# Altium PCB clock.PcbDoc (part 2 of 3)
Units mil, origin at the board's own origin, x right, y up, seen from the top; angles counter-clockwise.
Board outline 2362.2 x 2952.76 mil, 4 copper layers (Top Copper, Signal Layer 1, Signal Layer 2, Bottom Copper), stack 61.811 mil thick; 158 components, 86 nets, 506 pads, 629 vias.
Unrouted connection lines stored in the file: 8.
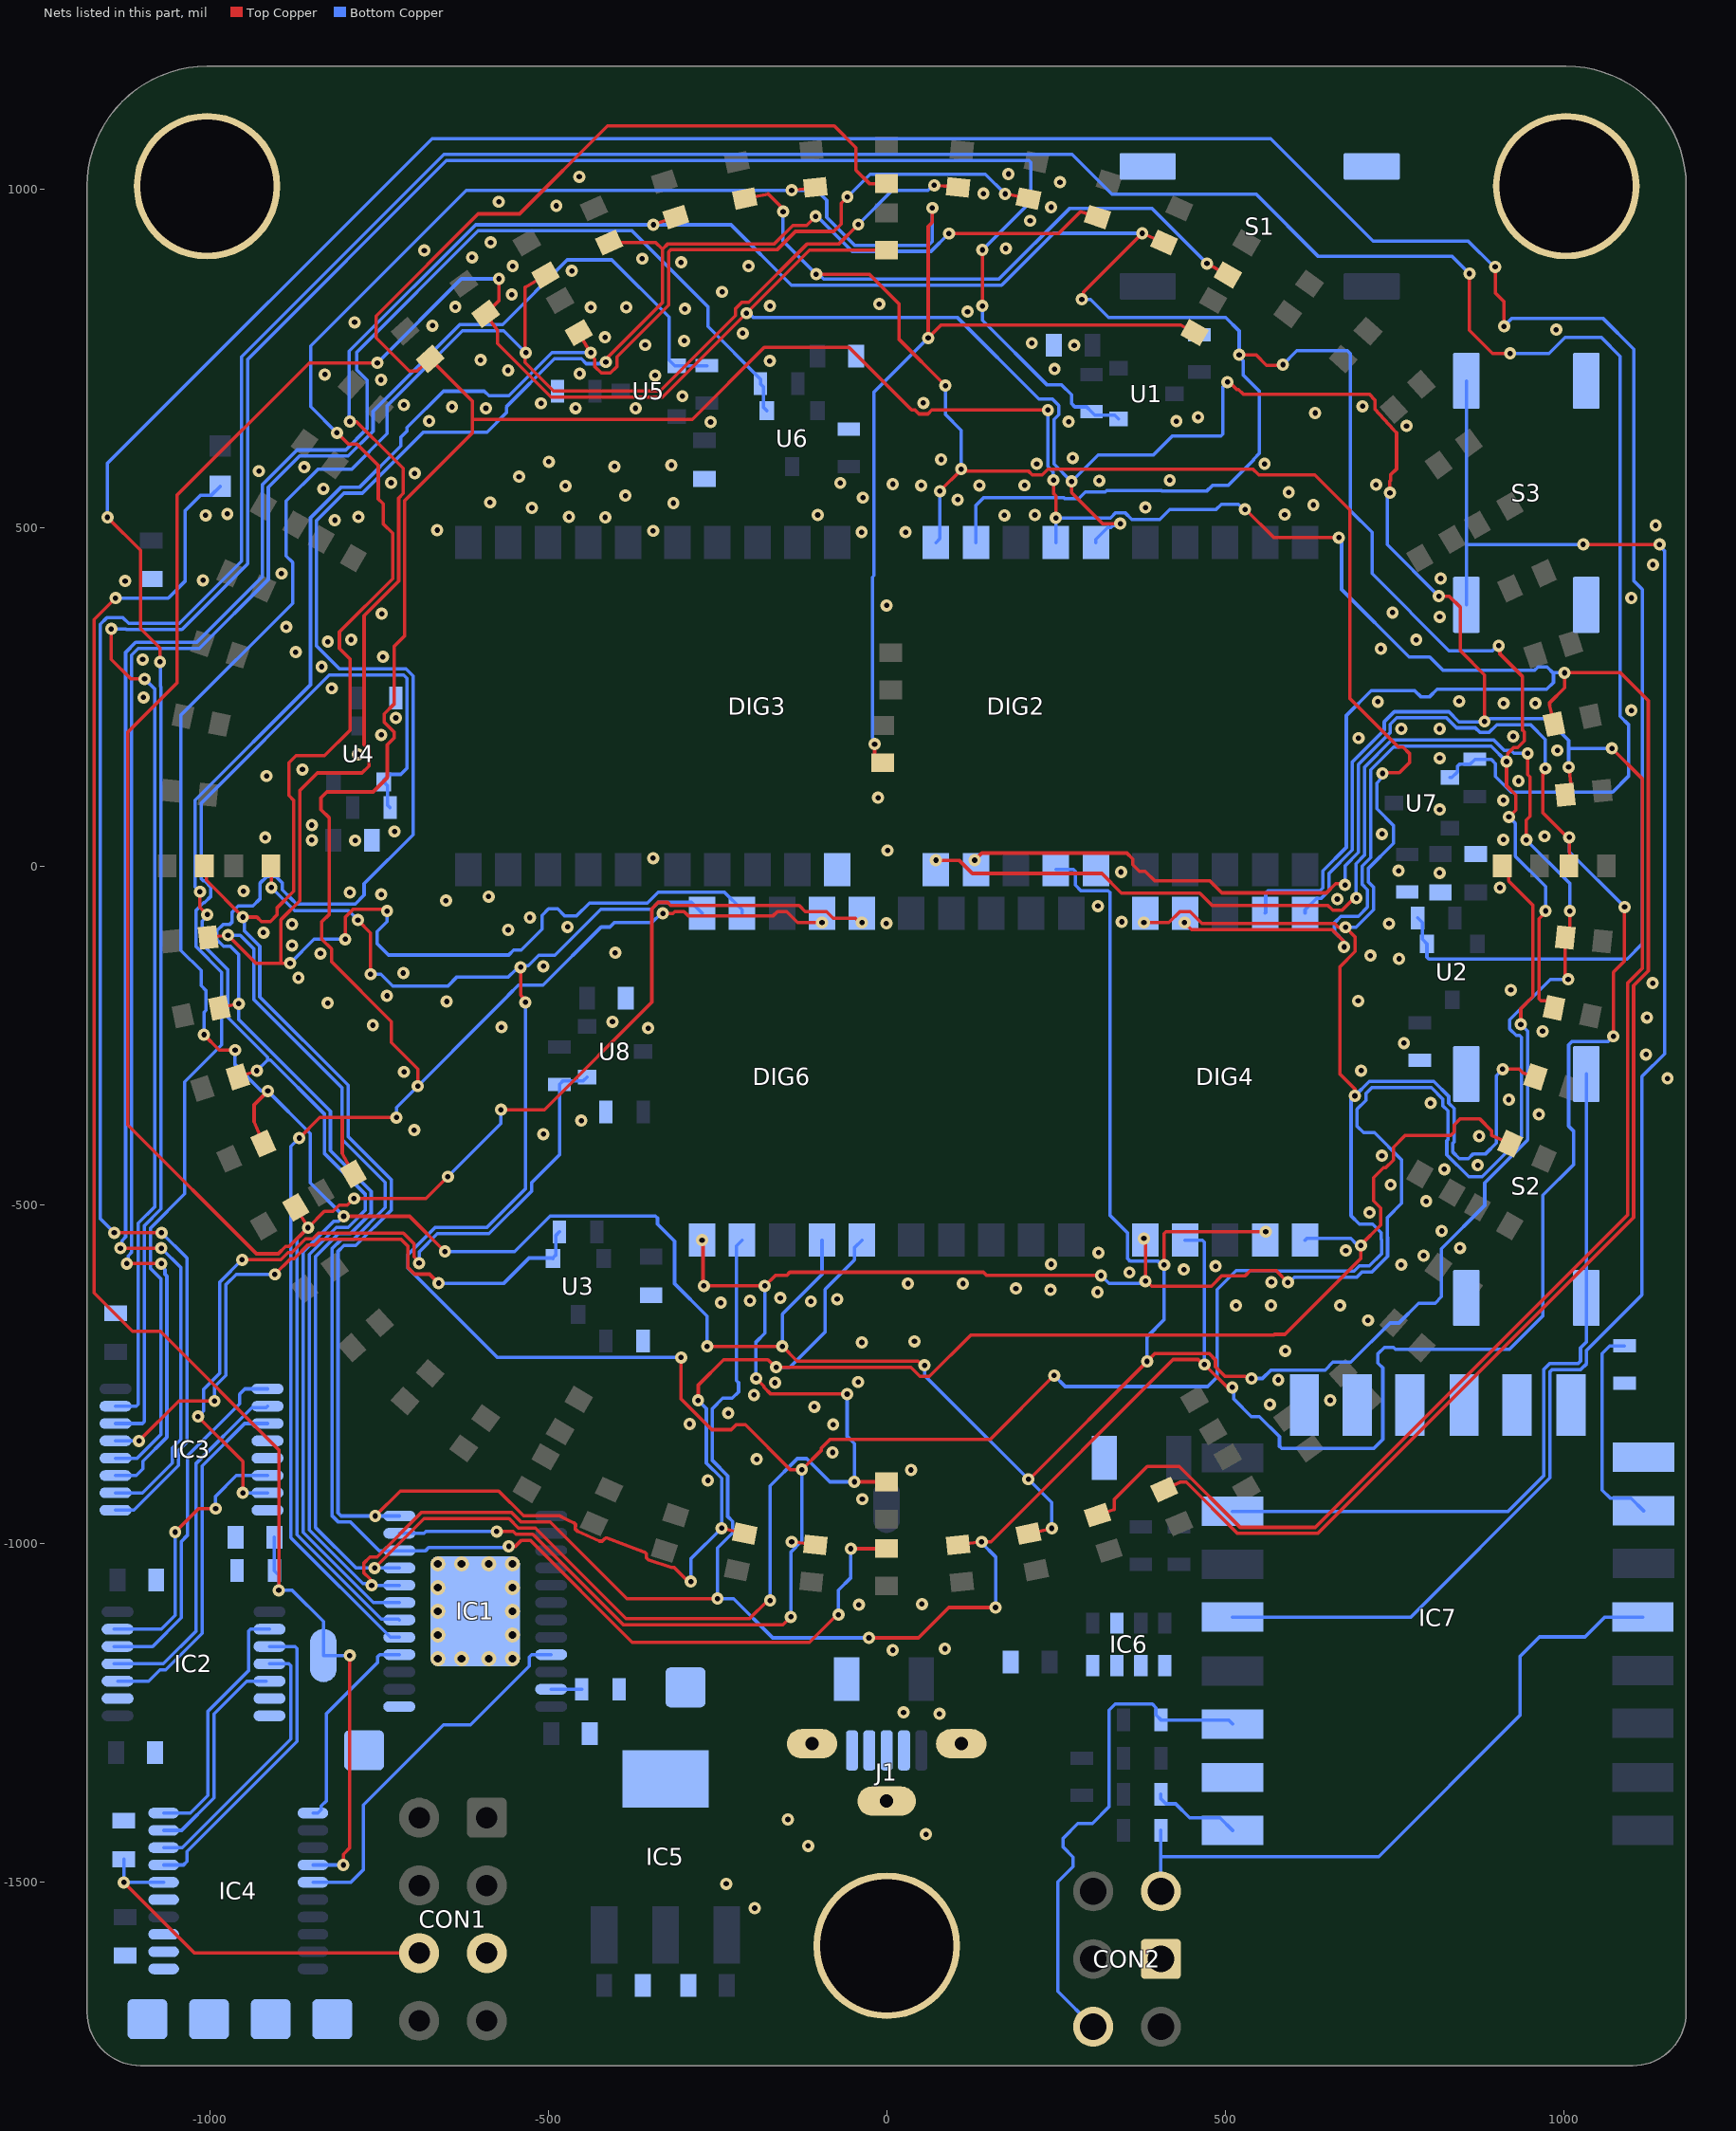
[diagram p4: the nets of this part, all layers, seen from the top]

## Via types
v1: diameter 18.11/18.11/18.11/18.11 (per signal layer), hole 7.87, Top Copper to Bottom Copper, tented both sides, 610 vias
v2: diameter 22, hole 11.81, Top Copper to Bottom Copper, tented both sides, 18 vias
v3: diameter 59.06, hole 39.37, Top Copper to Bottom Copper, tented both sides, 1 vias

## Nets (pads, with @x,y where several pads share a name; then routed paths per layer and width w, separated by ;. In a path a pad name is that pad's centre, name@x,y a point inside that pad or via, vN(x,y) a via of type N, cw(c..) or ccw(c..) an arc to the next point about the centre after c; other vN are vias at no path point) (continued)
BTN2: IC7.5 S3.2 | length 2646.4
  Top Copper w5: v1(1029,475) 1141.62,475 v1(1141.84,474.78)
  Bottom Copper w5: IC7.5@511,-1109.13 774.58,-1109.13 980,-903.71 980,-746.93 982.93,-744 1025,-744 1034,-735 1034,-715.27 1115.83,-633.44 1115.83,-310.75 1149.12,-277.46 1149.12,465.29 1141.84,472.57 v1(1141.84,474.78) ; S3.2@856.49,385.79 856.49,475 ; S3.2@856.49,716.5 856.49,475 ; v1(1029,475) 856.49,475
BTN3: IC7.7 S2.2 | length 1125.4
  Bottom Copper w5: IC7.7@511,-953.13 917.85,-953.13 971,-899.98 971,-743.2 979.2,-735 1021.27,-735 1025,-731.27 1025,-711.54 1033.65,-702.89 S2.2@1033.65,-637.93 S2.2@1033.65,-307.22
COL0: IC3.15 R2.1 U1.1 | length 3583.7
  Top Copper w5: v1(-1145.45,350.3) -1145.45,305.46 -1116.25,276.26 v1(-1096.22,276.26) ; v1(141.46,827.1) v1(141.46,910)
  Bottom Copper w5: v1(-1145.45,350.3) -1124.32,350.3 -1123.47,349.45 -1041,349.45 -944.01,446.45 -944.01,748.26 -650.27,1042 210,1042 212.93,1039.07 212.93,981.47 v1(141.46,910) ; IC3.15@-1139.07,-797.76 -1108.67,-797.76 -1105.74,-794.83 -1105.74,-527.58 -1080.93,-502.77 -1080.93,260.98 v1(-1096.22,276.26) ; v1(141.46,827.1) 141.46,805.91 236.37,711 258,711 273,696 273,683 277.83,678.17 295.33,678.17 R2.1@302.58,670.92 307.71,665.79 336.85,665.79 U1.1@342.41,660.24
COL1: IC3.14 R3.1 U2.1 | length 5413.6
  Top Copper w5: v1(-1151,515) -1102.26,466.26 -1102.26,350.87 -1073.51,322.13 v1(-1073.51,301.51) ; v1(899,885) 899,846.61 912,833.61 v1(912,797)
  Bottom Copper w5: v1(-1151,515) -1151,594.92 -671.57,1074.35 567.42,1074.35 718.77,923 859,923 897,885 v1(899,885) ; IC3.14@-1139.07,-823.35 -1099.67,-823.35 -1096.74,-820.42 -1096.74,-531.31 -1071.93,-506.5 -1071.93,264.7 -1072.51,265.28 v1@-1072.51,301.51 ; R3.1@784.43,-76.63 791.25,-83.46 791.25,-107.95 U2.1@798.08,-114.78 798.08,-134.6 801.01,-137.53 1093.74,-137.53 1116.56,-114.71 1116.56,408.44 1103.93,421.08 1103.93,763.06 1057.99,809 924,809 v1(912,797)
COL2: IC3.13 R4.1 U3.1 | length 963.8
  Top Copper w5: v1(-1104.52,-848.94) -1045.59,-790 v1(-992.95,-790) ; v1(-903.8,-603.04) -880.64,-579.89 -875.06,-579.89 -854.55,-559.37 -844.25,-559.37 -835.85,-550.97 -717.66,-550.97 -706.97,-561.66 -706.97,-593.2 -697.43,-602.74 -675.28,-602.74 v1(-661.93,-616.08)
  Bottom Copper w5: IC3.13@-1139.07,-848.94 v1(-1104.52,-848.94) ; v1(-992.95,-790) -992.95,-769.24 -976,-752.29 -976,-618.11 -960.94,-603.04 v1(-903.8,-603.04) ; v1(-661.93,-616.08) -565.41,-616.08 -528.26,-578.93 -493.69,-578.93 U3.1@-493.05,-579.57 ; U3.1@-493.05,-578.66 -488.48,-574.09 -488.48,-545.34 R4.1@-483.37,-540.22
COL3: IC3.12 R5.2 U4.1 | length 1699.5
  Bottom Copper w5: IC3.12@-1139.07,-874.53 -1107.09,-874.53 -1072.35,-839.78 -1072.35,-609.29 -1087.74,-593.89 -1087.74,-535.04 -1036.94,-484.23 -1036.94,-318.66 -982.25,-263.97 -982.25,-156.75 -1019.97,-119.03 -1019.97,-65.04 -1009.14,-54.22 -1007.79,-54.22 -998.26,-44.68 -998.26,-31.19 -1007.79,-21.66 -1009.77,-21.66 -1012.7,-18.73 -1012.7,92.77 -823.32,282.15 -713.59,282.15 -708.6,277.16 -708.6,144.4 -717.6,135.4 -734.34,135.4 -742.66,127.07 U4.1@-742.66,124.23 -737.15,118.71 -737.15,89.8 R5.2@-733.55,86.2
COL4: IC3.11 R6.1 U5.1 | length 2608.7
  Top Copper w5: v1(-1122.52,-587.15) v1(-1071.46,-587.15)
  Bottom Copper w5: IC3.11@-1139.07,-900.12 -1108.61,-900.12 -1098.81,-890.31 -1098.81,-878.97 -1063.35,-843.51 -1063.35,-605.56 -1066.14,-602.77 -1066.14,-596.02 -1071.46,-590.7 v1(-1071.46,-587.15) ; v1(-1122.52,-587.15) -1120.47,-585.1 -1120.47,-575.79 -1115.28,-570.59 -1115.28,311.74 -1105.74,321.28 -1015.46,321.28 -913.48,423.26 -913.48,559.23 -867.26,605.45 -795.44,605.45 -758.71,642.18 -758.71,671.52 -630.51,799.72 -567.3,799.72 -471.74,895.28 -405.86,895.28 -321.36,810.77 -321.36,747.2 -313.03,738.87 R6.1@-265.6,738.87
COL5: IC3.10 R7.1 U6.1 | length 2901.4
  Top Copper w5: v1(-1132.02,-564.31) v1(-1071.46,-564.31)
  Bottom Copper w5: IC3.10@-1139.07,-925.71 -1099.18,-925.71 -1055.18,-881.72 -1055.18,-859.42 -1042.68,-846.91 -1042.68,-592.91 -1071.28,-564.31 v1(-1071.46,-564.31) ; v1(-1132.02,-564.31) -1129.72,-562.01 -1129.72,-553.2 -1124.28,-547.76 -1124.28,315.47 -1109.47,330.28 -1019.18,330.28 -922.48,426.98 -922.48,562.95 -870.99,614.45 -799.17,614.45 -767.71,645.91 -767.71,717.59 -782.86,732.74 -782.86,758.76 -603.52,938.09 -376.35,938.09 -264.13,825.87 -264.13,796.88 -186.45,719.2 R7.1@-186.45,712.31 -182.22,708.08 -182.22,677.79 U6.1@-177.01,672.59
COL6: IC3.9 R8.1 U7.1 | length 5316.6
  Top Copper w5: v1(-1141.02,-541.48) v1(-1071.17,-541.48) ; v1(861,875) 861,791.11 895.11,757 v1(921,757)
  Bottom Copper w5: v1(-1141.02,-541.48) -1161.73,-520.78 -1161.73,357.05 -1152.19,366.58 -1127.87,366.58 -1119.74,358.45 -1044.73,358.45 -953.01,450.17 -953.01,751.99 -654,1051 274,1051 332.97,992.03 545.97,992.03 637.75,900.25 835.75,900.25 v1(861,875) ; IC3.9@-1139.07,-951.3 -1112.04,-951.3 -1046.18,-885.44 -1046.18,-863.15 -1033.68,-850.64 -1033.68,-578.97 v1(-1071.17,-541.48) ; U7.1@832.1,130.64 835.05,130.64 843.38,138.97 843.38,147.29 846.31,150.22 861.66,150.22 R8.1@869,157.56 893.23,157.56 899.48,151.31 899.48,132.31 922.41,109.38 1072.52,109.38 1096.34,133.2 1096.34,208.31 1083.67,220.98 1083.67,752.9 1055.84,780.72 1002.21,780.72 978.49,757 v1(921,757)
COL7: IC3.7 R9.1 U8.1 | length 1183.8
  Top Copper w5: v1(-1017.37,-813.07) -951,-879.44 v1(-951,-925.71) ; v1(-952.19,-581.57) -895.06,-581.57 -884.37,-570.89 -878.79,-570.89 -858.28,-550.37 -847.98,-550.37 -839.58,-541.97 -713.94,-541.97 -697.97,-557.93 -697.97,-576.97 -690.69,-584.25 v1(-690.69,-586.46)
  Bottom Copper w5: v1(-1017.37,-813.07) -1009.23,-804.92 -1009.23,-772.79 -985,-748.56 -985,-614.38 v1(-952.19,-581.57) ; v1(-951,-925.71) IC3.7@-914.66,-925.71 ; v1(-690.69,-586.46) -690.69,-570.07 -663.61,-543 -587.25,-543 -524.72,-480.47 -524.72,-467.74 -483.23,-426.25 R9.1@-483.23,-322.4 -477.91,-317.08 -447.98,-317.08 U8.1@-442.44,-311.54
COL_D0: IC2.3 IC4.7 | length 460
  Bottom Copper w5: IC4.7@-1068.01,-1475.32 -1038.78,-1475.32 -1033.43,-1469.97 -1033.43,-1455.16 -871.28,-1293.02 -871.28,-1155.56 -874.21,-1152.63 IC2.3@-911.66,-1152.63
COL_D0H: IC2.12 IC3.1 | length 527
  Bottom Copper w5: IC2.12@-1141.07,-1152.63 -1084.44,-1152.63 -1042.08,-1110.28 -1042.08,-997.63 -1033.14,-988.69 -1033.14,-871.16 -956,-794.02 -956,-780 -948.17,-772.17 IC3.1@-914.66,-772.17
COL_D1: IC2.4 IC4.8 | length 394.9
  Bottom Copper w5: IC4.8@-1068.01,-1449.73 -1040.72,-1449.73 -880.28,-1289.29 -880.28,-1181.15 -883.21,-1178.22 IC2.4@-911.66,-1178.22
COL_D1H: IC2.11 IC3.2 | length 529
  Bottom Copper w5: IC2.11@-1141.07,-1178.22 -1068.64,-1178.22 -1019.98,-1129.56 -1019.98,-882.05 -937.74,-799.81 -916.72,-799.81 IC3.2@-914.66,-797.76
COL_D2: IC2.5 IC4.9 | length 315.4
  Bottom Copper w5: IC4.9@-1068.01,-1424.14 -1041.51,-1424.14 -993.62,-1376.25 -993.62,-1252.04 -945.39,-1203.82 IC2.5@-916.66,-1203.82
COL_D2H: IC2.10 IC3.3 | length 524
  Bottom Copper w5: IC2.10@-1136.07,-1203.82 -1090.09,-1203.82 -1073.5,-1187.22 -1064.91,-1187.22 -1010.98,-1133.29 -1010.98,-885.77 -948.55,-823.35 IC3.3@-914.66,-823.35
ENABLE: IC2.2 IC4.10 | length 375.7
  Bottom Copper w5: IC4.10@-1068.01,-1398.55 -1028.65,-1398.55 -1002.62,-1372.52 -1002.62,-1248.31 -942.58,-1188.27 -942.58,-1129.97 -939.65,-1127.04 IC2.2@-911.66,-1127.04
ENABLEH: IC2.13 IC3.6 | length 403.2
  Top Copper w5: v1(-1051.08,-983.61) -1016.47,-949 v1(-991.25,-949)
  Bottom Copper w5: IC2.13@-1141.07,-1127.04 -1071.58,-1127.04 -1051.08,-1106.55 v1(-1051.08,-983.61) ; v1(-991.25,-949) -991.25,-930.58 -960.78,-900.12 IC3.6@-914.66,-900.12
ESP_ENABLE: CON2.1 IC7.3 R22.2 | length 749.7
  Bottom Copper w5: CON2.1@305.12,-1714.17 252.91,-1661.97 252.91,-1500.29 275.47,-1477.73 275.47,-1463.62 260.91,-1449.06 260.91,-1435.58 282.49,-1414 304,-1414 328.77,-1389.23 328.77,-1246.47 337.52,-1237.72 392.56,-1237.72 397.78,-1242.93 397.78,-1253.61 405.81,-1261.64 505.51,-1261.64 IC7.3@511,-1267.13
ESP_RESET: IC7.1 R23.2 | length 131.8
  Bottom Copper w5: R23.2@405.12,-1370.98 405.12,-1377.63 412.46,-1384.97 426.98,-1384.97 447.56,-1405.56 492.43,-1405.56 IC7.1@511,-1424.13
GND: C1.1 C2.1 C3.1 C4.1 C5.1 C6.1 C7.1 C8.1 C9.1 C10.1 C11.1 C12.1 C13.1 C14.1 C15.1 C16.1 C17.1 C18.1 C19.1 C20.1 C21.1 CON1.3 CON2.5 IC1.1 IC1.25 IC2.7 IC3.4 IC3.5 IC3.8 IC4.5 IC5.4 IC6.2 IC6.3 IC7.15 J1.5 J1.S pad.P2 R1.2 R10.1 R11.1 R12.2 R13.1 R14.1 R15.2 R16.2 R17.2 R20.1 R26.2 S1.1 S2.1 S3.1 TP18.1 TP20.1 TP21.1 TP22.1 TP23.1 TP24.1
  other v1: -195,-1539 -237,-1503 -116,-1447 58,-1430 -146,-1408 78,-1252 25,-1250 9,-1158 86,-1156 -41,-1091 52,-1090 -36,-935 -264.11,-907.38 36,-892 -192,-876 -80,-866 -79,-825 -291,-824 -234,-808 -106.86,-798.56 566,-795 655.27,-789.02 -196,-781 -165,-763 -42,-762 578.55,-758.87 589,-716 -36.66,-703.56 41,-702 711,-671 516.1,-649.16 567.95,-648.94 669.82,-649.08 -245,-645 -112,-643 -202,-642 -73.13,-639.64 -157.11,-637.9 311.51,-629.34 242,-626 191,-624 31.44,-616.72 112.7,-616.74 568.32,-614.35 358.64,-600.29 439,-596 486,-591 760.01,-588.87 243,-588 793.2,-575.34 313,-571 678.34,-567.93 847,-564 820,-539 713.42,-511.9 797,-495 744.48,-470.72 823.85,-447.65 873.14,-441.8 731.56,-427.76 875.21,-398.94 -507,-396 -698,-390 -451,-376 963.52,-366.82 803.59,-350.03 919,-345 1153.47,-313.63 -713,-304 701,-302 1121.78,-278.38 764.16,-261.42 969,-244 -352.25,-239.35 -569,-238 -759,-235 -405,-230 1123.15,-223.74 -825.74,-202.32 -650,-200 696.56,-199.19 -738.24,-191.63 922,-183 1131.62,-172.9 -869,-165 -714,-158 -507,-148 757,-137 714.52,-132.21 -836.44,-129.1 -401,-128 -878.36,-117.17 -920.65,-98.23 -559.04,-94.32 -471.4,-89.86 -878.36,-85.93 -0.38,-84.77 742,-85 347.29,-82.39 -527,-76 312,-59 -651,-51 665.68,-48.82 -588,-45 -746.57,-42.03 -793,-39 -950,-37 906,-32.01 816.86,-10 346.16,-8.79 756.21,-7.02 -345.06,11.6 1.38,23.04 -785.11,37.69 -849.27,38.19 911,39 -918,42 972,44 731.79,47.36 -727,51 -849.27,60.43 816.97,83.5 911,97 -12.73,100.9 933.37,125.66 -916,133 -862.95,142.52 816.98,159.47 -781,164.99 990.94,170.78 697,189 925.59,191.43 -746.52,193.84 760.3,202.62 816.82,202.62 -725.02,218.8 1100.2,229.8 911.4,240.25 958.27,240.25 725.66,242.84 845.74,243.47 -1097.82,249.03 -819.71,262.49 -834.71,294.31 -1099,305 -744.1,308.98 -873,316 729.88,321.04 -825.59,331.38 -791.14,334.24 782.32,334.05 -887,353 817,368 -745.79,372.72 747.33,374.31 0,385 1100.06,395.96 -1125,421 -1010,422 818.49,424.65 -894.12,431.96 1132,445 -37,493 28,493 -345,495 -664,496 1136,503 -815.19,510.84 -780.42,515.43 -469.16,515.63 -415.72,514.92 -1006,518 -101.81,518.42 174,518 219.01,518.52 588,519 -974,520 -524,529 382.31,529.4 630.38,533.1 -315,536 -586,537 105,541 -35,544 -386,547 594,552 -832.1,557.26 -474.59,561.38 51,562 137,562 203.72,562.25 722.93,563.13 9,564 -68.51,565.73 -732.04,566.05 314,569 418.14,569.85 -543,575 -697.31,579.9 -927.16,583.24 -860.4,588.95 -402,590 -318,592 221.82,594.01 558.21,593.91 -499,597 80.54,600.37 274.73,602.66 768,650 -260.01,655.75 268.84,656.25 -675.9,657.17 428,657 460,663 633,669 -592,676 -459.47,676.14 -370.94,676.08 -642.1,678.19 703,679 -713.08,680.97 -510.68,683.38 54.27,683.94 -301.73,693.94 -747,718 -342.04,724.51 -830,726 -453.62,727.22 -559.28,732.09 248,734 -172.73,745.94 -599.98,747.32 -356.63,769.56 277,769 214.35,772.32 -299.06,775.63 -416,781 -212.73,786.94 989,792 -671,798 -786,803 119.45,818.72 -298,823 -637.22,825.65 -437,825 -384.67,825.26 -172.32,827.02 -11,830 -553.8,844 -243,848 -465,879 -552.4,886.04 -204,886 -303.68,891.46 -361,897 -612.57,898.9 -683,909 176,912 -585,921 212,953 243,973 -488,975 -573,981 143,993 256,1010 -454,1018 180,1022
GPIO0: CON2.4 IC7.18 R24.2 | length 999.8
  Bottom Copper w5: CON2.4@405.12,-1514.17 405.12,-1463.18 ; R24.2@405.12,-1424.13 405.12,-1463.18 ; IC7.18@1117.13,-1109.13 1060.87,-1109.13 1031.57,-1138.43 964.34,-1138.43 935.43,-1167.34 935.43,-1254.57 726.82,-1463.18 405.12,-1463.18
GPIO15: IC7.16 R26.1 | length 313.2
  Bottom Copper w5: R26.1@1090,-708.66 1068.17,-708.66 1056.94,-719.89 1056.94,-921.57 1069.11,-933.74 1099.74,-933.74 IC7.16@1118.13,-952.13
LATCH: IC1.4 IC4.11 | length 307.9
  Bottom Copper w5: IC4.11@-847.53,-1398.55 -840.17,-1398.55 -835.2,-1393.58 -835.2,-1388.17 -827.4,-1380.36 -827.4,-1251.73 -752.31,-1176.64 -752.31,-1168.14 -748.77,-1164.6 IC1.4@-720,-1164.6
LIGHT: ALS1.2 C18.2 IC4.14 R20.2 TP17.1 | length 2514.1
  Top Copper w5: v1(-1139.11,395.7) -1170.73,364.08 -1170.73,-630.36 -1113.99,-687.1 -1072.83,-687.1 -897.98,-861.94 v1(-897.98,-1069.71) ; v1(-802.66,-1475.32) -802.66,-1459.66 -793.2,-1450.2 v1(-793.2,-1166)
  Bottom Copper w5: v1(-1139.11,395.7) -1061.3,395.7 -1036.62,420.38 -1036.62,524.46 -1013.31,547.78 -997.51,547.78 ALS1.2@-984.26,561.02 ; C18.2@-904.53,-991.15 R20.2@-904.53,-1040.56 -897.98,-1047.11 v1(-897.98,-1069.71) -878.06,-1069.71 -832,-1115.78 TP17.1@-832,-1166 -795.06,-1166 v1@-793.2,-1164.13 ; IC4.14@-847.53,-1475.32 v1(-802.66,-1475.32)
NetDIG2_5: DIG2.5
NetDIG3_5: DIG3.5
NetIC1_23: IC1.23 R1.1 | length 45.3
  Bottom Copper w5: IC1.23@-495.59,-1215.78 R1.1@-450.3,-1215.78
NetIC2_6: IC2.6
NetIC2_9: IC2.9
NetIC4_1: IC4.1
NetIC4_2: IC4.2
NetIC4_3: IC4.3
NetIC6_1: IC6.1
NetIC6_4: IC6.4
NetIC6_6: IC6.6
NetIC7_2: IC7.2
NetIC7_9: IC7.9
NetIC7_10: IC7.10
NetIC7_11: IC7.11
NetIC7_12: IC7.12
NetIC7_13: IC7.13
NetIC7_14: IC7.14
NetJ1_2: J1.2
NetJ1_3: J1.3
NetJ1_4: J1.4
PWCLK: IC1.21 IC4.15 | length 555.1
  Bottom Copper w5: IC4.15@-847.53,-1500.91 -791.48,-1500.91 -772.97,-1482.4 -772.97,-1386.65 -654.61,-1268.29 -614.85,-1268.29 -527.88,-1181.32 -527.88,-1168.14 -524.35,-1164.6 IC1.21@-495.59,-1164.6
RESET: C19.2 CON1.6 IC4.6 | length 572.5
  Top Copper w5: v1(-1126.94,-1500.91) -1022.42,-1605.43 CON1.6@-690.64,-1605.43
  Bottom Copper w5: C19.2@-1126.94,-1466.91 v1(-1126.94,-1500.91) IC4.6@-1068.01,-1500.91
ROW00: D1.2 D17.2 D33.2 D49.2 D65.2 DIG2.7 DIG4.7 DIG6.7 IC1.5 | length 8915.2
  Top Copper w5: v1(-867.8,-401.67) -837.57,-371.44 -804.25,-371.44 ; D49.2@-787.61,-454.72 -804.25,-424.7 -804.25,-371.44 ; v1(-724.24,-371.44) -804.25,-371.44 ; v1(-692.72,-325.04) -692.72,-299.66 -731.59,-260.79 -731.59,-229.84 -820.16,-141.27 -820.16,-122.36 -834.46,-108.05 -834.46,-82.37 -823.23,-71.13 -823.23,70.92 -835.71,83.4 -835.71,100.89 -827.07,109.53 -758.66,109.53 -737.63,130.57 -737.63,179.17 -727.82,188.97 -727.82,198.16 -742.08,212.42 -742.08,224.76 -727.82,239.02 -727.82,324.24 -711.82,340.23 -711.82,539.8 -611.93,639.69 -611.93,659.72 ; D65.2@-674.4,749 -611.93,686.52 -611.93,659.72 ; D65.2@-674.4,749 -693.77,731.09 -705.24,731.09 -754.33,780.17 -754.33,812.37 -603.51,963.19 -542.22,963.19 -412.4,1093 -77.34,1093 -45.25,1060.91 -45.25,1027.71 -25.42,1007.87 D1.2@0,1007.87 ; v1(-330.62,-69.93) -315.67,-69.93 -312.85,-67.11 -299.36,-67.11 -293.08,-73.39 -167.55,-73.39 -161.27,-67.11 -147.79,-67.11 -131.51,-83.39 v1(-95.47,-83.39) ; v1(238.21,673.41) 66.75,673.41 61.01,667.66 47.52,667.66 41.78,673.41 36.95,673.41 -55.64,766 -180.88,766 -287.16,659.72 -611.93,659.72 ; v1(246.35,569.97) 246.35,550.66 250,547 v1(250,513.99) ; D33.2@409.94,-920.74 433.9,-909.69 442.52,-909.69 518.51,-985.68 636.81,-985.68 1103.43,-519.06 1103.43,-176.73 1125.15,-155.01 1125.15,244.48 1084.3,285.33 v1(1001.43,285.33) 1001.43,263.1 978.84,240.51 979.45,237.82 D17.2@985.85,209.55 ; v1(529.33,526.58) 530.42,526.58 571.85,485.15 v1(668.12,485.15)
  Bottom Copper w5: v1(-867.8,-401.67) -880,-413.87 -880,-992 -732.99,-1139.01 IC1.5@-720,-1139.01 ; v1(-724.24,-371.44) -724.24,-356.56 -559,-191.32 -559,-190.82 -544.19,-176.01 -507.74,-176.01 -421.77,-90.04 -409.04,-90.04 -402.72,-83.72 -347.1,-83.72 -333.31,-69.93 v1(-330.62,-69.93) ; v1(238.21,673.41) 238.21,590.06 245.62,582.66 245.62,570.7 v1(246.35,569.97) ; DIG2.7@250,477.64 v1(250,513.99) ; v1(250,513.99) 330.67,514 338.55,521.89 352.04,521.89 361.93,512 403.52,512 418.04,526.51 486.51,526.51 494.35,534.36 519.84,534.36 527.61,526.58 v1(529.33,526.58) ; DIG4.7@559.06,-69.61 560,-68.66 560,-39.23 562.93,-36.3 640.37,-36.3 644.29,-32.38 644.29,-7.26 679,27.45 679,222.27 715.85,259.12 779.94,259.12 788.91,250.15 802.4,250.15 813.3,261.05 975.1,261.05 985.11,271.06 985.11,284.55 975.57,294.09 962.09,294.09 957.14,289.13 821.87,289.13 802.23,308.77 771.85,308.77 672.07,408.54 v1@672.07,477.66 ; 984.33,285.33 v1(1001.43,285.33)
ROW01: D2.2 D18.2 D34.2 D50.2 D66.2 DIG2.6 DIG4.6 DIG6.6 IC1.6 | length 9028.1
  Top Copper w5: D50.2@-872.84,-503.94 v1@-854.86,-534.17 ; v1(-854.73,-534.09) -882.52,-561.89 -888.1,-561.89 -898.79,-572.57 -930.98,-572.57 -1121.22,-382.33 -1121.22,197.74 -1048.55,270.41 -1048.55,547.43 -852.87,743.11 v1(-752.44,743.11) ; v1@-854.37,-533.74 -830.75,-510.11 -818.04,-510.11 -808.91,-500.98 -796.72,-500.98 v1(-786.8,-491.05) -680.48,-491.05 v1(-648.27,-458.83) ; v1(-572.8,867.18) -572.8,835 D66.2@-592.41,815.39 -576.01,792.81 -575.06,791.5 -575.06,771.8 -495.72,692.46 -331.09,692.46 -114.09,909.45 D2.2@0,909.45 ; v1(-569.88,-359.88) -505.75,-359.88 -346.9,-201.03 -346.9,-63.19 -337.36,-53.65 -323.88,-53.65 -319.42,-58.11 -129.17,-58.11 -120.17,-67.11 -88.73,-67.11 -78.84,-77 -45.9,-77 -39.51,-83.39 v1(-36.42,-83.39) ; v1(273.25,568.05) 273.25,551.45 319.1,505.61 v1(345.3,505.61) ; D34.2@311.45,-958.54 336.44,-950.06 336.44,-935.24 385,-886.68 432.24,-886.68 522.24,-976.68 633.09,-976.68 1094.43,-515.34 1094.43,-173 1116.15,-151.28 1116.15,129 v1(1071.48,173.67) ; v1(503.52,714.68) 506.26,714.68 517.2,703.74 519.94,703.74 526.68,697 713.49,697 721.12,688.53 721.12,675.06 748.89,644.21 753.25,639.85 753.25,586.45 744.28,577.48 744.28,569.26 743.4,568.38 v1(743.4,551.29) ; v1(815.69,398.43) 831.12,398.43 847.73,381.81 847.73,317.7 883.2,282.24 v1(883.19,213.47) ; D18.2@1002.35,105.35 1009.77,114.77 1011.06,116.39 1007.59,145.71 v1(1007.56,146.06)
  Bottom Copper w5: v1(-854.73,-534.09) -871,-550.37 -871,-987.75 -746.41,-1112.34 -721.09,-1112.34 IC1.6@-720,-1113.42 ; v1(-752.44,743.11) -628.36,867.18 v1(-572.8,867.18) ; v1(-648.27,-458.83) -569.88,-380.45 v1(-569.88,-359.88) ; v1(-207.09,816.46) -203.65,816.46 -197.6,810.41 104.12,810.41 224.84,689.69 244.95,689.69 254.49,680.15 254.49,666.66 247.21,659.38 247.21,593.79 272.95,568.05 v1(273.25,568.05) 312.2,607 394,607 422,635 493.56,635 496.49,637.93 496.49,707.65 v1(503.52,714.68) ; DIG2.6@309.06,477.64 309.06,482.56 326.24,499.74 331.16,499.74 334.52,503.1 342.79,503.1 v1(345.3,505.61) ; DIG4.6@618.11,-69.61 618.11,-64.69 635.29,-47.5 641.9,-47.5 653.29,-36.11 653.29,-10.99 688,23.72 688,153.73 735.02,200.75 735.02,213.09 749.83,227.9 830.54,227.9 845.44,213 882.72,213 v1(883.19,213.47) 886.74,213.47 890.78,217.51 975.49,217.51 1007.53,185.47 1007.53,173.67 ; v1(743.4,551.29) 743.4,547.75 739.47,543.81 739.47,474.65 v1(815.69,398.43) ; v1@1007.53,146.09 1007.53,173.67 ; v1(1071.48,173.67) 1007.53,173.67
ROW02: D3.2 D19.2 D35.2 D51.2 D67.2 DIG2.4 DIG4.4 DIG6.4 IC1.7 | length 7589.7
  Top Copper w5: v1(-1008.58,-248.98) -985.78,-271.78 v1(-962.54,-271.78) ; D51.2@-920.74,-409.94 -934.48,-377.56 -934.48,-352.65 v1(-914.14,-332.3) ; v1(-802.16,-517.26) -704.66,-517.26 v1(-652.56,-569.35) ; D67.2@-503.94,872.84 -534.09,854.73 -534.09,743.56 -491.99,701.46 -334.82,701.46 -223.37,812.9 -223.37,823.2 -213.83,832.74 -203.54,832.74 -117.82,918.45 -70.96,918.45 v1(-41.96,947.45) ; v1(-265.18,-709.28) -154.17,-709.28 -132.18,-731.23 46.4,-731.23 52.55,-737.38 v1(55.88,-737.38) ; v1(70.31,1005.42) D3.2@105.35,1002.35 ; v1(209.34,-905.57) 210.86,-905.57 v1(384.83,-731.6) 396.67,-719.75 476.21,-719.75 485.81,-729.35 485.81,-739.65 499.71,-753.54 529.55,-753.54 530.28,-754.28 536.53,-754.28 v1(539.04,-756.79) ; D35.2@209.55,-985.85 v1(243.86,-978.09) ; v1(410,-589.05) 410,-542.93 412.93,-540 v1(560,-540) ; D19.2@909.45,0 918.97,-9.52 918.97,-22.05 954.71,-57.79 954.71,-192.9 936.79,-210.82 v1(936.79,-233.84)
  Bottom Copper w5: v1(-1008.58,-248.98) -1008.58,-216.29 -1005.38,-213.09 -1005.38,-183.96 -1012.66,-176.68 -1012.66,-154.34 -1042.45,-124.55 -1042.45,222.96 -877.48,387.93 -877.48,448.36 -887.21,458.09 -887.21,539 -839.97,586.23 -790.08,586.23 -737.89,638.42 -737.89,679.61 -626.78,790.72 -565.94,790.72 -533.4,758.18 v1(-533.07,758.18) ; v1(-962.54,-271.78) -962.54,-293.27 -923.51,-332.3 v1(-914.14,-332.3) -851.52,-394.93 -851.52,-467.9 v1(-802.16,-517.26) -809.44,-524.54 -816.81,-524.54 -862,-569.73 -862,-984.02 -758.19,-1087.83 IC1.7@-720,-1087.83 ; v1(-652.56,-569.35) -549.53,-569.35 -497.16,-516.99 -341.43,-516.99 -338.5,-519.92 -338.5,-528.76 -313.28,-553.98 -313.28,-616.72 -265.18,-664.82 v1(-265.18,-709.28) ; v1(-154.15,-709.26) -154.15,-661.59 -95.47,-602.91 DIG6.4@-95.47,-552.44 ; v1(-41.96,947.45) 8.24,997.64 60.82,997.64 68.6,1005.42 v1(70.31,1005.42) ; v1(55.88,-737.38) 55.88,-752.11 243.86,-940.09 v1(243.86,-978.09) ; DIG2.4@250,-5.2 275.86,-5.2 278.79,-8.13 278.79,-28.3 286.79,-36.3 327.25,-36.3 330.18,-39.23 330.18,-516.25 355.7,-541.78 355.7,-579.62 359.8,-583.72 401.12,-583.72 406.45,-589.05 v1(410,-589.05) 410,-670 384.83,-695.17 v1(384.83,-731.6) ; v1(539.04,-756.79) 555.16,-756.79 567.65,-744.29 647.81,-744.29 659.29,-732.82 685.81,-732.82 743.78,-674.85 756.83,-674.85 785.95,-645.73 810.14,-645.73 819.68,-636.19 819.68,-565.02 883.51,-501.19 883.51,-467.71 946.78,-404.44 946.78,-243.83 v1(936.79,-233.84)
ROW03: D4.2 D20.2 D36.2 D52.2 D68.2 DIG2.2 DIG4.2 DIG6.2 IC1.8 | length 8722.8
  Top Copper w5: v1(-1014.54,-37.94) -1014.54,-60.94 v1(-1003.69,-71.79) ; D52.2@-958.54,-311.45 v1(-930.46,-302.33) ; -763.27,-1052.75 -772.63,-1043.39 -772.63,-1029.91 -763.09,-1020.37 -752.8,-1020.37 -687.22,-954.79 -554.08,-954.79 -540.23,-968.65 -497.15,-968.65 -383.87,-1081.93 v1(-249.93,-1081.93) ; D68.2@-454.72,787.61 -437.55,757.86 -437.23,758.18 v1(-436.99,758.18) -436.99,754.63 -431.12,748.76 -431.12,737.59 -421.58,728.05 -408.1,728.05 -398.56,737.59 -398.56,752.18 -322.25,828.5 -322.25,907.07 -319.32,910 -162,910 -134.78,937.22 -78.32,937.22 -67.27,948.27 -67.27,978.93 v1(-58.01,988.21) ; v1(-26.14,-1139.8) 47.04,-1139.8 91.78,-1095.06 v1(160.89,-1095.06) ; D36.2@105.35,-1002.35 v1@140.27,-998.22 ; v1(130,8.58) 140.57,19.15 354.85,19.15 363.72,10.28 363.72,1.84 373.26,-7.7 381.7,-7.7 396,-22 477.46,-22 495.15,-39.7 649.71,-39.7 663.41,-26 674.97,-26 v1(677.03,-28.06) ; v1(140.27,-998.07) 153.93,-998.07 423.25,-728.75 460.04,-728.75 467.38,-736.09 v1(469.53,-736.09) 503.26,-769.82 v1(510.63,-769.82) ; v1@175.05,992.71 D4.2@209.55,985.85 ; v1(972.97,144.17) 970.46,141.66 970.46,136.1 969.05,134.69 969.05,79.06 1005.75,42.36 v1(1008.48,42.36) 1008.48,36.9 1008.55,36.83 1009.02,1.18 D20.2@1007.87,0 ; v1(1073.52,-251.53) 1073.52,-156.68 1090.07,-140.12 v1(1090.07,-60.49)
  Bottom Copper w5: v1(-1014.54,-37.94) -1021.7,-30.78 -1021.7,97.15 -851.09,267.75 -851.09,514.32 -805.68,559.73 -778.32,559.73 -717.54,620.5 -717.54,633.31 -708.54,642.31 -708.54,647.55 -654.8,701.29 -594.32,701.29 -587.58,694.55 -558.06,694.55 -494.44,758.18 v1(-436.99,758.18) ; v1(-1003.69,-71.79) -1003.69,-73.99 -1010.97,-81.27 -1010.97,-115.3 -973.25,-153.03 -973.25,-223.39 -914.46,-282.18 -914.46,-286.32 ; v1(-930.46,-302.33) -914.46,-286.32 ; IC1.8@-720,-1062.24 v1(-760.76,-1062.24) -763.27,-1059.73 -773.56,-1059.73 -853,-980.29 -853,-573.46 -813.08,-533.54 -795.42,-533.54 -770.52,-508.63 -770.52,-484.31 -830.74,-424.09 -830.74,-365.9 -910.32,-286.32 -914.46,-286.32 ; DIG6.2@-213.58,-552.44 -222.05,-560.91 -222.05,-759.76 -218.77,-763.04 -218.77,-776.52 -228.3,-786.06 -242.02,-786.06 -257.38,-801.42 -257.38,-878 -234.83,-900.55 -234.83,-960.6 -227.55,-967.88 -227.55,-984.68 -249.93,-1007.06 v1(-249.93,-1081.93) -226.24,-1081.93 -168.37,-1139.8 v1(-26.14,-1139.8) ; v1(-58.01,988.21) -24.51,1021.7 145.88,1021.7 v1(175.02,992.56) ; v1(140.27,-998.07) 140.27,-999.56 160.89,-1020.18 v1(160.89,-1095.06) ; DIG4.2@440.95,-552.44 466.6,-552.44 469.53,-555.37 v1(469.53,-736.09) ; v1(510.63,-769.82) 513,-772.19 513,-787.41 538.59,-813 550.5,-813 580.28,-842.79 580.28,-856.87 583.47,-860.06 719.63,-860.06 733,-846.7 733,-741.09 725.72,-733.81 725.72,-720.32 735.25,-710.79 748.74,-710.79 751.87,-713.91 920.04,-713.91 969.54,-664.42 969.54,-486.14 1014.54,-441.14 1014.54,-391.19 1007.47,-384.12 1007.47,-264.34 1012.43,-259.38 1065.67,-259.38 v1(1073.52,-251.53) ; v1(677.03,-28.06) 677.03,0.02 697,19.99 697,150 744.02,197.02 744.02,209.36 753.56,218.9 826.81,218.9 841.71,204 869.64,204 876.45,197.19 889.94,197.19 901.26,208.51 951.49,208.51 972.97,187.03 v1(972.97,144.17) ; v1(1008.48,42.36) 1008.48,21.1 v1(1090.07,-60.49)
ROW04: D5.2 D21.2 D37.2 D53.2 D69.2 DIG2.1 DIG4.1 DIG6.1 IC1.9 | length 8848.3
  Top Copper w5: D53.2@-985.85,-209.55 v1(-956.97,-203.41) ; v1(-756.35,-1036.65) -683.49,-963.79 -557.81,-963.79 -543.95,-977.65 -519.05,-977.65 -385.23,-1111.47 -202.57,-1111.47 -175.81,-1084.71 v1(-172.14,-1084.71) ; v1(-414.84,744.33) -414.84,748.63 -331.25,832.22 -331.25,910.8 ; D69.2@-409.94,920.74 -341.19,920.74 -331.25,910.8 ; v1(-272.64,-552.44) -271.32,-553.76 -271.32,-618.68 v1(-270,-620) v1(-179.96,-620) -164.67,-604.7 -147.79,-604.7 -143.01,-599.92 143.01,-599.92 147.78,-604.7 316.55,-604.7 v1(316.66,-604.81) ; v1(-192.91,-756.5) -181.28,-768.14 -181.28,-769.74 -171.19,-779.83 v1(-58.43,-779.83) ; v1(-104.91,959.45) -118.13,946.22 -138.51,946.22 -165.73,919 -323.05,919 -331.25,910.8 ; v1(-47.6,-909.45) D37.2@0,-909.45 ; v1(72.84,8.58) 106.98,8.58 126.56,-11 318,-11 346.79,-39.79 462.54,-39.79 480.75,-58 651.84,-58 658.94,-65.1 672.71,-65.1 690.47,-47.33 v1(694.02,-47.33) ; v1(91.94,934.14) 254.02,934.14 286.25,966.37 D5.2@311.45,958.55 ; v1(380,-550) 382.2,-552.2 v1(382.2,-613.09) 384.41,-613.09 391.69,-620.37 479.65,-620.37 495.15,-604.88 529.81,-604.88 537.09,-597.6 575.39,-597.6 v1(592.67,-614.87) ; v1(944.97,38.65) 944.97,67.97 950.58,73.58 950.58,131.42 946.96,135.04 v1(946.96,166.42) ; v1(1006.85,-167.28) 1002.35,-162.79 D21.2@1002.35,-105.35 1009.25,-98.46 v1(1009.25,-66.4)
  Bottom Copper w5: IC1.9@-720,-1036.65 v1(-756.35,-1036.65) -783.92,-1036.65 -844,-976.57 -844,-577.19 -809.35,-542.54 -791.69,-542.54 -761.52,-512.36 -761.52,-480.58 -821.74,-420.36 -821.74,-362.18 -956.97,-226.94 v1(-956.97,-203.41) -956.97,-131.01 -969.43,-118.54 -979.73,-118.54 -989.27,-109.01 -989.27,-95.52 -979.73,-85.99 -970.19,-85.99 -967.26,-83.06 -967.26,-68.62 -957.72,-59.08 -936.26,-59.08 -925.95,-48.77 -925.95,-25.77 -915.64,-15.46 -902.15,-15.46 -892.62,-25 -892.62,-35.29 -879.04,-48.87 -871.76,-56.14 -785.14,-56.14 -771.96,-42.96 -771.96,-26.12 -699.6,46.23 -699.6,280.89 -709.86,291.15 -808.38,291.15 -842.09,324.86 -842.09,510.59 -801.96,550.73 -774.59,550.73 -684.48,640.84 -590.16,640.84 -561.81,669.19 -561.81,678.08 -490.71,749.18 -451.01,749.18 -443.74,741.9 -417.27,741.9 v1(-414.84,744.33) ; v1(-192.91,-756.5) -192.91,-702.88 -179.96,-689.93 v1(-179.96,-620) ; v1(-172.14,-1084.71) -172.14,-915.31 -131.95,-875.13 -118.47,-875.13 -84.14,-909.45 v1(-47.6,-909.45) ; v1(-104.91,959.45) -102.57,959.45 -50.94,907.82 65.62,907.82 v1(91.94,934.14) ; v1(-58.43,-779.83) -58.43,-842.17 -47.6,-853 v1@-47.6,-908.2 ; v1(316.66,-604.81) 328.41,-616.57 378.73,-616.57 v1(382.2,-613.09) ; v1(380,-550) 381.89,-551.89 DIG4.1@381.89,-552.44 ; v1(592.67,-614.87) 594.57,-614.87 602.16,-607.29 694.53,-607.29 702.19,-599.63 716.92,-599.63 739.93,-576.62 739.93,-548.2 739.47,-547.75 739.47,-519.35 760.76,-498.06 760.76,-433.94 720.63,-393.8 704.54,-393.8 695,-384.27 695,-359.11 707.94,-346.18 707.94,-335.88 716.82,-327 804.52,-327 821.3,-343.78 821.3,-353.83 829.15,-361.68 829.15,-403.82 827.51,-405.46 827.51,-426.41 860.11,-459 879.49,-459 937.78,-400.72 937.78,-253.05 934.85,-250.12 930.04,-250.12 920.51,-240.59 920.51,-227.1 980.32,-167.28 v1(1006.85,-167.28) ; v1(694.02,-47.33) 693.31,-46.62 693.31,3.57 706,16.26 706,146 745.99,185.99 896.83,185.99 912.21,170.61 922.5,170.61 926.7,166.42 v1(946.96,166.42) ; v1(944.97,38.65) 1009.25,-25.63 v1(1009.25,-66.4)
ROW05: D6.2 D22.2 D38.2 D54.2 D70.2 DIG2.9 DIG4.9 DIG6.9 IC1.10 | length 8730.1
  Top Copper w5: D54.2@-1002.35,-105.35 v1(-972.99,-102.27) -931.71,-143.54 -894.64,-143.54 ; v1(-881.28,-143.54) -894.64,-143.54 ; v1(-799.9,-108.16) -799.9,-75.66 -787.83,-63.59 -740.85,-63.59 v1(-738.06,-66.38) ; v1(-792.99,656.38) -783.33,656.38 -729.82,602.87 -714.24,587.29 -714.24,550.11 -720.82,543.53 -720.82,420.7 -772.03,369.5 -772.03,179.05 -764.72,171.74 -764.72,147.77 -774.96,137.52 -840.82,137.52 -866.78,111.56 -866.78,-51.09 -894.64,-78.95 -894.64,-143.54 ; v1(-558.15,-1004.74) -548.53,-1004.74 -539.43,-995.65 -526.51,-995.65 -375.82,-1146.34 -114.11,-1146.34 -73.55,-1105.78 v1(-71.22,-1105.78) ; v1@-344.76,947.24 D70.2@-311.45,958.55 ; v1(-52.87,-1008.23) -0.35,-1008.23 D38.2@0,-1007.87 ; v1(288.2,837.02) 290.7,839.53 290.7,847.63 v1(377.56,934.48) D6.2@409.94,920.74 ; v1(440,-83.39) 450.57,-93.96 657.98,-93.96 675.78,-111.75 v1(675.78,-119.45) ; v1(520.76,755.06) 545.72,755.06 561.16,739.62 584.51,739.62 v1(585.36,740.48) ; v1(904.22,325.3) 905.91,323.61 905.91,313.31 938.92,280.3 938.92,201.12 941.87,198.17 941.87,184.68 932.34,175.15 926.27,175.15 917.32,166.19 917.32,158.82 915.76,157.26 915.76,118.64 929.25,105.14 929.25,82.57 v1(919.32,72.65) ; v1(973.3,-66.25) 973.3,-68.45 963.71,-78.04 963.71,-196.06 966.64,-198.99 975.3,-198.99 D22.2@985.85,-209.55
  Bottom Copper w5: v1(-972.99,-102.27) -954.83,-102.27 -935.05,-122.04 -935.05,-196.95 -804.58,-327.42 -804.58,-403.37 -740.9,-467.05 -740.9,-504.47 -787.96,-551.54 -805.62,-551.54 -819.49,-565.41 -819.49,-959.18 -809.8,-968.88 -791.9,-968.88 -749.71,-1011.06 IC1.10@-720,-1011.06 -681.06,-1011.06 -676.65,-1006.65 -560.06,-1006.65 v1(-558.15,-1004.74) ; v1(-881.28,-143.54) -845.91,-108.16 v1(-799.9,-108.16) ; v1(-792.99,656.38) -793.93,657.32 -793.93,760.41 -607.25,947.09 v1(-344.71,947.09) -229.89,947.09 -140.52,857.72 169.84,857.72 246.61,934.48 v1(377.56,934.48) ; v1(-738.06,-66.38) -738.06,-82.01 -752.65,-96.6 -752.65,-114.65 -735.9,-131.4 -558.35,-131.4 -551.07,-124.12 -539.68,-124.12 -509.01,-93.45 -509.01,-72.86 -499.47,-63.32 -485.98,-63.32 -475.94,-73.36 -457.83,-73.36 -439.22,-54.75 -353.78,-54.75 -337.53,-38.5 -239.77,-38.5 -213.58,-64.69 DIG6.9@-213.58,-69.61 ; v1(-71.22,-1105.78) -71.22,-1069.23 -52.87,-1050.88 v1(-52.87,-1008.23) ; DIG2.9@131.89,477.64 131.89,532.52 143.28,543.91 261.65,543.91 262.78,542.77 283.73,542.77 293.31,552.36 322.63,552.36 324.96,554.68 406.04,554.68 407.16,553.57 472.57,553.57 481,562 504.28,562 541.93,599.65 541.93,600.65 550.27,608.99 550.27,701.48 527.02,724.73 527.02,745.58 520.76,751.84 520.76,790.24 500.81,810.19 327.89,810.19 301.33,836.75 288.47,836.75 v1(288.2,837.02) ; v1(585.36,740.48) 605.91,761.03 680.61,761.03 685.03,756.61 685.03,524.85 717,492.87 717,431.84 830.83,318.02 894.73,318.02 902.01,325.3 v1(904.22,325.3) ; v1(675.78,-119.45) 675.78,-111.43 661.54,-97.2 661.54,-83.71 671.08,-74.17 696.73,-74.17 710.3,-60.6 710.3,-35.03 702.31,-27.04 702.31,-0.16 715,12.53 715,142.27 748.52,175.79 756.79,175.79 757.99,176.99 893.11,176.99 v1(915.76,154.33) ; v1(919.32,72.65) 919.32,72.53 928.69,63.16 928.69,14.31 973.3,-30.3 v1(973.3,-66.25)
ROW06: D7.2 D23.2 D39.2 D55.2 D71.2 DIG2.10 DIG4.10 DIG6.10 IC1.11 | length 8221.9
  Top Copper w5: D55.2@-909.45,0 -909.31,-0.14 v1(-908.89,-31.74) ; v1(-781.09,-79.87) -762.33,-98.63 v1(-762.33,-159.8) ; v1(-576.12,-982.77) -551.56,-982.77 -547.68,-986.65 -522.78,-986.65 -388.96,-1120.47 -153.14,-1120.47 v1(-141.44,-1108.78) ; v1(-540.6,-149.4) -540.6,-190.87 -533.72,-197.75 v1(-533.72,-201.29) ; v1(-303.58,-725.78) -303.58,-787.2 -258.35,-832.43 -229.54,-832.43 -222.26,-825.16 -208.77,-825.16 -142.52,-891.41 v1(-125.21,-891.41) -96.28,-862.48 -96.28,-859.26 -84.02,-847 152.77,-847 v1(247.4,-752.38) ; D71.2@-209.55,985.85 -175.02,992.56 -152.98,970.53 v1(-152.98,966.48) ; v1(-140.27,-998.07) D39.2@-105.35,-1002.35 ; v1(-104,874) -25.35,874 18.02,830.64 18.02,778.28 v1(86.76,709.54) ; v1(78.75,553.63) 110.06,584.94 v1(110.06,586.25) 112.57,583.74 118.8,583.74 119.54,583 209.81,583 215.08,577.73 229.82,577.73 238.35,586.25 541.18,586.25 549.84,577.59 632.56,577.59 684.4,525.76 684.4,247.35 755.96,175.79 762.72,175.79 772.26,166.25 772.26,152.77 757.41,137.91 733.67,137.91 v1(732.52,136.76) ; v1(380,-83.39) 416.98,-83.39 433.26,-67.11 448.11,-67.11 465.96,-84.96 661.71,-84.96 667.2,-90.45 v1(677.82,-90.45) 692.06,-104.68 692.06,-126.19 669.82,-148.42 669.82,-307.31 691.66,-329.14 v1(691.66,-339.43) ; v1@473.24,890.03 D7.2@503.94,872.84 ; v1(910,-300) 934.46,-300 939.82,-305.37 D23.2@958.55,-311.45
  Bottom Copper w5: v1(-908.89,-31.74) -874.63,-66 -794.96,-66 v1(-781.09,-79.87) ; v1(-762.33,-159.8) -747.12,-159.8 -729.84,-177.08 -648.08,-177.08 -634.72,-163.72 -558.55,-163.72 -549.12,-154.29 -549.04,-154.29 -544.15,-149.4 v1(-540.6,-149.4) ; IC1.11@-720,-985.47 -683.47,-985.47 -680.77,-982.77 v1(-576.12,-982.77) ; v1@-538.48,-147.28 -529.31,-147.28 -513.74,-131.72 -490.15,-131.72 -422.18,-63.75 -347.46,-63.75 -337.36,-53.65 -288.59,-53.65 DIG6.10@-272.64,-69.61 ; v1(-533.72,-201.29) -533.72,-476.74 -590.97,-534 -667.34,-534 -706.97,-573.63 -706.97,-594.07 -575.26,-725.78 v1(-303.58,-725.78) ; v1(-152.98,966.48) -152.98,922.98 v1(-104,874) ; v1(-141.44,-1108.78) -141.44,-1013.06 -125.21,-996.82 v1(-125.21,-891.41) ; v1@-102.23,875.77 -93.17,866.72 165.76,866.72 270.01,970.97 392.09,970.97 v1(473.17,889.9) ; DIG2.10@72.84,477.64 78.75,483.55 v1(78.75,553.63) ; v1(86.76,709.54) 86.76,666.86 110.06,643.55 v1(110.06,586.25) ; v1(247.4,-752.38) 263.75,-768.72 474.22,-768.72 488.24,-754.7 488.24,-625.56 516.2,-597.6 574.59,-597.6 575.28,-598.29 690.8,-598.29 698.46,-590.63 713.19,-590.63 730.93,-572.89 730.93,-551.93 730.47,-551.47 730.47,-541.59 717.88,-529 698.52,-529 686,-516.48 686,-345.09 v1(691.66,-339.43) 713.09,-318 808.25,-318 830.3,-340.05 830.3,-350.1 838.15,-357.95 838.15,-407.55 836.51,-409.19 836.51,-422.68 846.05,-432.21 859.54,-432.21 866.82,-424.93 884.97,-424.93 900.67,-409.23 900.67,-309.48 910,-300.16 v1(910,-300) ; v1(677.82,-90.45) 693.18,-90.45 719.3,-64.33 719.3,-31.3 711.31,-23.31 711.31,-3.88 748.63,33.44 748.63,59.8 724,84.43 724,122.63 730.01,128.64 730.01,134.26 v1(732.52,136.76)
ROW07: D8.2 D24.2 D40.2 D56.2 D72.2 D73.2 DIG4.5 DIG6.5 IC1.12 | length 7429.7
  Top Copper w5: D56.2@-1007.87,0 -1005.04,-2.83 -1005.04,-21.3 v1(-950.98,-75.36) -930.32,-75.36 -923.8,-81.89 -910.31,-81.89 -900.77,-72.35 -900.77,-62.06 -875.78,-37.07 -875.78,96.94 -883.06,104.22 -883.06,152.42 -872.45,163.03 -830.24,163.03 -792.74,200.53 -792.74,305.63 -808.44,321.33 -808.44,345.81 -729.82,424.43 -729.82,491.32 -743.71,505.21 -743.71,534.86 -750.99,542.14 -750.99,591.71 -782.73,623.45 -795.46,623.45 -811.74,639.73 v1(-812.14,639.73) ; v1(-755.5,-959.88) -718.56,-922.93 -573.21,-922.93 -536.5,-959.65 -483.33,-959.65 ccw(c0,0) -461.68,-970.25 -461.07,-970.85 ; -461.05,-970.88 -459.6,-972.32 -459.6,-974.36 cw(c-464.6,-974.4) -459.6,-974.43 -459.6,-975.17 -459.7,-975.39 -459.7,-979.55 -456.89,-982.37 -424.16,-996.94 -420,-996.94 -417.18,-994.13 -417.15,-994.05 -416.81,-993.71 ; -416.81,-993.71 -415.35,-992.25 -413.31,-992.25 cw(c-413.28,-997.25) -413.25,-992.25 -386.92,-1002.41 ccw(c0,0) -357.38,-1013.32 -356.6,-1014.09 cw(c-360.12,-1017.65) -356.56,-1014.14 -355.12,-1015.58 -355.12,-1017.62 cw(c-360.12,-1017.65) -355.12,-1017.69 -355.12,-1017.76 -355.12,-1021.56 -352.05,-1024.63 -317.97,-1035.71 -313.94,-1035.71 -292.88,-1056.76 v1(-289.36,-1056.76) ; v1(-278.64,-789.11) -278.31,-788.79 -278.31,-766.48 -240.84,-729 -175.41,-729 -164.18,-740.23 v1(-163.22,-740.23) 35.7,-740.23 49.14,-753.66 63.34,-753.66 124.34,-692.66 572.34,-692.66 573.34,-691.66 588.41,-691.66 700.65,-579.42 ; v1(-243.83,-977.94) D40.2@-209.55,-985.85 ; v1(-140.27,998.06) D72.2@-105.35,1002.35 ; v1(-17.72,180) -17.72,163.72 -6.44,152.44 D73.2@-6,152.44 ; v1(67.46,971.88) 67.46,950.64 61.34,944.52 v1(61.34,779.98) 80.6,799.24 433.95,799.24 D8.2@454.77,787.58 ; v1(700.65,-560.35) 700.65,-579.42 ; D24.2@920.74,-409.94 893.76,-397.93 893.76,-391.1 875.77,-373.11 847.69,-373.11 838.15,-382.64 838.15,-392.94 833.16,-397.93 765.78,-397.93 748.5,-415.22 748.5,-434.19 737.24,-445.44 734.01,-445.44 719.2,-460.25 719.2,-494.66 729.7,-505.16 729.7,-530.22 700.65,-559.27 697.7,-559.27 699.17,-560.75 700.65,-562.23 700.65,-579.42
  Bottom Copper w5: v1(-950.98,-75.36) -948.6,-77.74 -948.6,-95.77 -926.05,-118.31 -926.05,-193.22 -795.58,-323.69 -795.58,-399.64 -731.9,-463.32 -731.9,-508.2 -784.24,-560.54 -801.89,-560.54 -810.49,-569.14 -810.49,-955.45 -806.07,-959.88 v1(-755.5,-959.88) IC1.12@-720,-959.88 ; v1(-812.14,639.73) -851,678.59 -851,768 -620.93,998.06 v1(-140.27,998.06) -103.58,998.06 -88.45,982.93 -88.45,958.06 -47.21,916.82 61.89,916.82 67.46,922.39 v1(67.46,971.88) ; v1(-289.36,-1056.76) -289.36,-1023.47 v1(-243.83,-977.94) -243.83,-904.28 -266.38,-881.73 -266.38,-801.38 v1(-278.64,-789.11) ; v1(-163.22,-740.23) -143.17,-740.23 -91.11,-688.16 -91.11,-625.23 -47.49,-581.62 -47.49,-563.51 DIG6.5@-36.42,-552.44 ; v1(-17.72,180) -20.23,182.51 -20.23,188.59 -21.12,189.48 -21.12,426.59 -18.72,429 -18.72,699.92 v1(61.34,779.98) ; DIG4.5@618.11,-552.44 620.82,-549.73 685.5,-549.73 693.61,-557.84 696.26,-557.84 v1@697.7,-559.27